# KiCad board prototype-badge.kicad_pcb
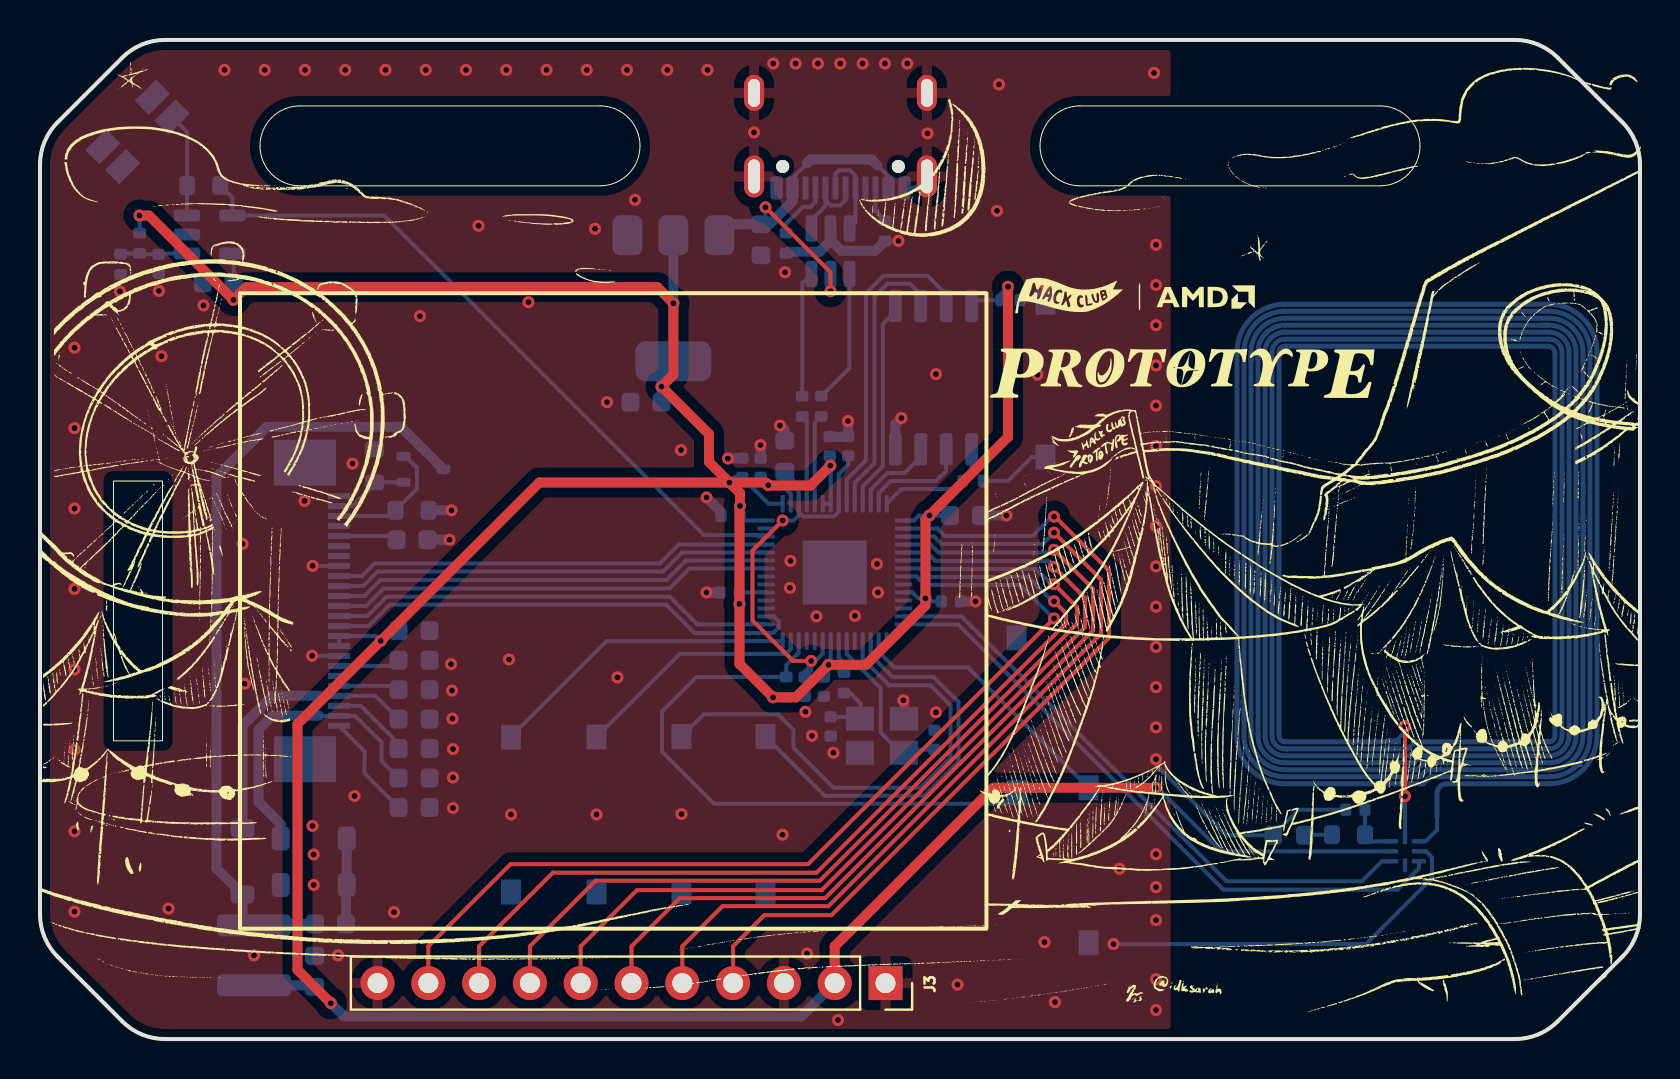
[diagram p0: board, top side]
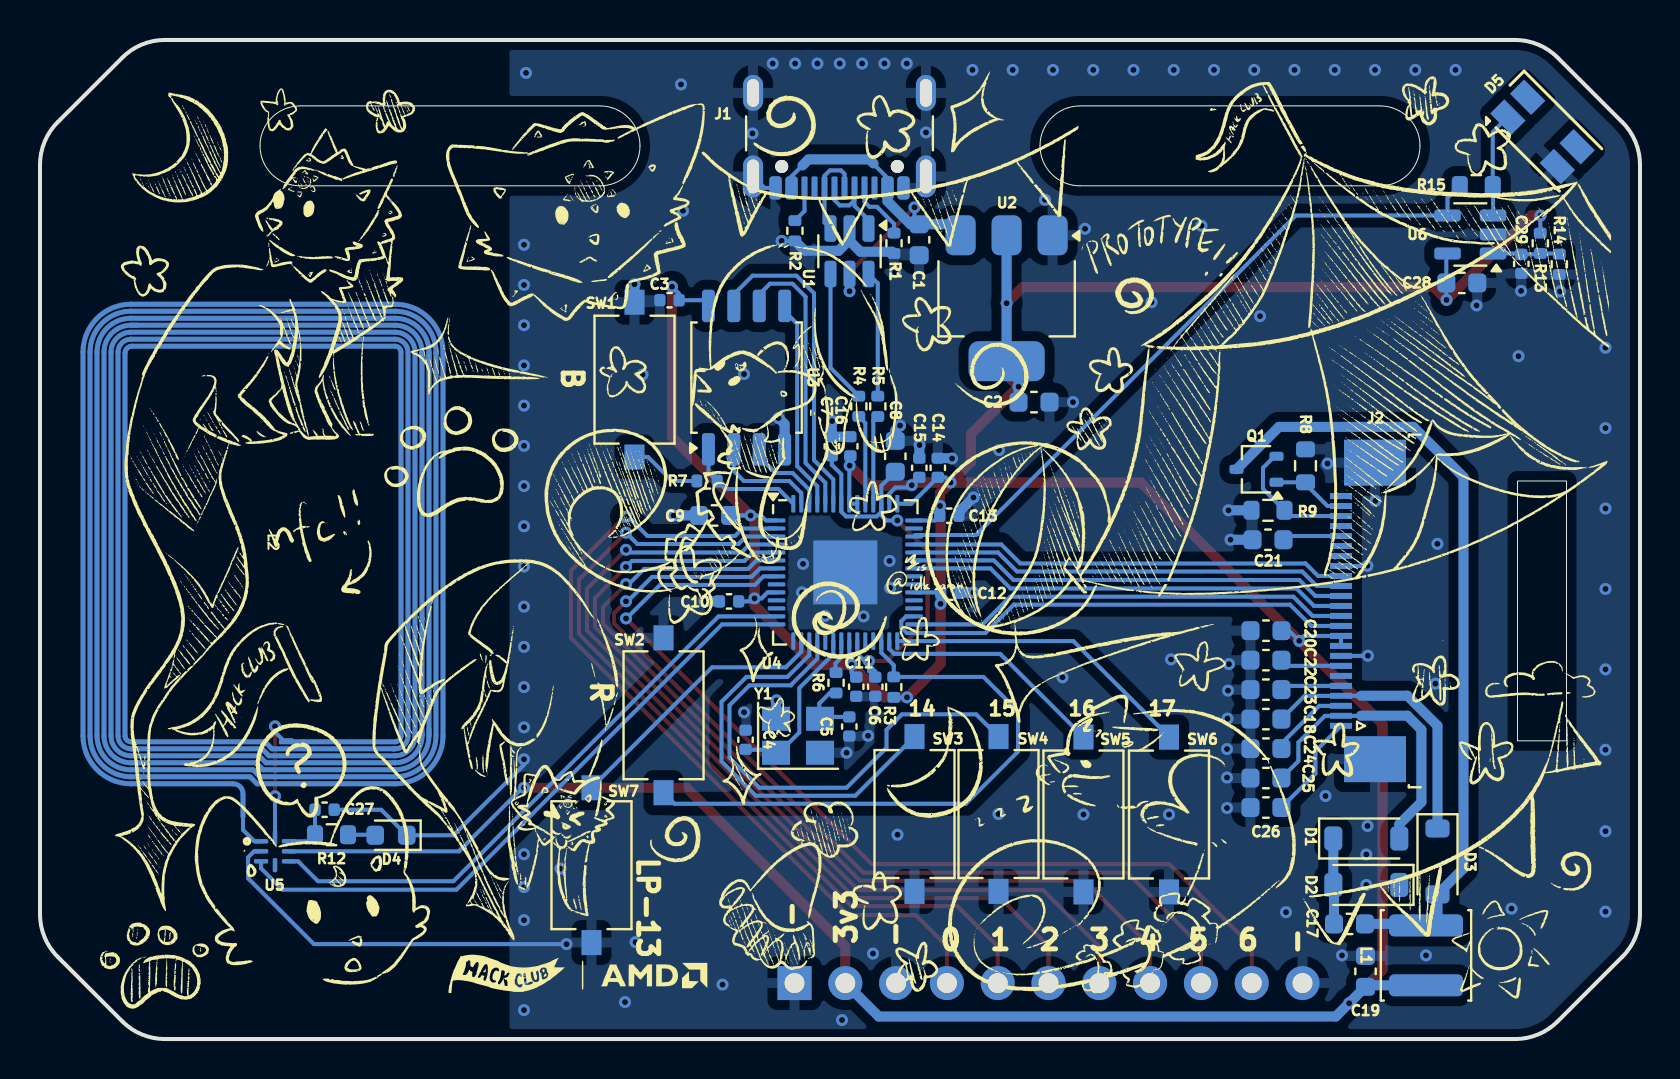
[diagram p1: board, bottom side, seen from below]

Outline 80 x 50 mm; copper layers: Top, Bottom. Coordinates in mm from the lower left corner of the outline.
Outline path: rectangle 3.67,27.92 6.12,14.92 ; 0,43.76 0,6.24 arc(0.23,5.09) 0.88,4.12 4.12,0.88 arc(5.09,0.23) 6.24,0 73.76,0 arc(74.91,0.23) 75.88,0.88 79.12,4.12 arc(79.77,5.09) 80,6.24 80,43.76 arc(79.77,44.91) 79.12,45.88 75.88,49.12 arc(74.91,49.77) 73.76,50 6.24,50 arc(5.09,49.77) 4.12,49.12 0.88,45.88 arc(0.23,44.91) 0,43.76 ; 11,44.7 arc(11.59,46.11) 13,46.7 28,46.7 arc(29.41,46.11) 30,44.7 arc(29.41,43.29) 28,42.7 13,42.7 arc(11.59,43.29) 11,44.7 ; 50,44.7 arc(50.59,46.11) 52,46.7 67,46.7 arc(68.41,46.11) 69,44.7 arc(68.41,43.29) 67,42.7 52,42.7 arc(50.59,43.29) 50,44.7

## Placement (name value [footprint] x y rotation side)
C1  10uF  [C_0603_1608Metric]  36.04 40 270 bottom
C2  10uF  [C_0603_1608Metric]  30.3 31.88 180 bottom
C3  100nF  [C_0402_1005Metric]  48.53 36.97 0 bottom
C4  12pF  [C_0402_1005Metric]  44.72 14.98 270 bottom
C5  12pF  [C_0402_1005Metric]  39.53 15.64 90 bottom
C6  100nF  [C_0402_1005Metric]  38.24 17.63 270 bottom
C7  100nF  [C_0402_1005Metric]  40.41 29.66 90 bottom
C8  1uF  [C_0603_1608Metric]  37.24 29.16 270 bottom
C9  1uF  [C_0603_1608Metric]  46.27 26.2 0 bottom
C10  100nF  [C_0402_1005Metric]  45.55 21.9 180 bottom
C11  100nF  [C_0402_1005Metric]  39.19 17.63 90 bottom
C12  100nF  [C_0402_1005Metric]  34.49 22.34 0 bottom
C13  100nF  [C_0402_1005Metric]  34.53 26.19 0 bottom
C14  100nF  [C_0402_1005Metric]  35.11 28.59 270 bottom
C15  100nF  [C_0402_1005Metric]  36.03 28.59 270 bottom
C16  100nF  [C_0402_1005Metric]  39.49 29.66 270 bottom
C17  4.7uF  [C_0603_1608Metric]  14.53 5.76 180 bottom
C18  1uF  [C_0603_1608Metric]  18.7 16.01 0 bottom
C19  4.7uF  [C_0603_1608Metric]  13.72 3.39 90 bottom
C20  1uF  [C_0603_1608Metric]  18.7 20.44 180 bottom
C21  1uF  [C_0603_1608Metric]  18.6 24.99 180 bottom
C22  1uF  [C_0603_1608Metric]  18.7 18.96 180 bottom
C23  1uF  [C_0603_1608Metric]  18.7 17.49 180 bottom
C24  1uF  [C_0603_1608Metric]  18.7 14.54 180 bottom
C25  1uF  [C_0603_1608Metric]  18.7 13.06 180 bottom
C26  1uF  [C_0603_1608Metric]  18.7 11.59 0 bottom
C27  220nF  [C_0402_1005Metric]  65.77 11.47 180 bottom
C28  1uF  [C_0603_1608Metric]  8.91 37.84 180 bottom
C29  100nF  [C_0402_1005Metric]  5.94 38.79 90 bottom
D1  MBR0530  [D_SOD-123]  13.68 10.04 180 bottom
D2  MBR0530  [D_SOD-123]  13.68 7.71 0 bottom
D3  MBR0530  [D_SOD-123]  10.12 8.89 270 bottom
D4  LED_Small  [LED_0603_1608Metric]  62.45 10.2 0 bottom
D5  D_Photo  [Kingbright_KPS-3227]  4.88 45.4 135 bottom
G***  -  [LOGO]  40.03 26.17 0 top
G***#2  -  [LOGO]  38 25.06 180 bottom
J1  GCT4105  [USB_C_Receptacle_GCT_USB4105-xx-A_16P_TopMnt_Horizontal]  40.03 46.27 0 bottom
J2  E-Ink  [TE_2-1734839-4_1x24-1MP_P0.5mm_Horizontal]  13.6 21.42 90 bottom
J3  Conn_01x11_Socket  [PinSocket_1x11_P2.54mm_Vertical]  42.28 2.8 270 top
L1  10uH  [L_APV_ANR4018]  10.7 4.19 90 bottom
L2  1.755uH  [nfc-coil-2]  68.85 24.88 270 bottom
Q1  Si1308EDL  [SOT-323_SC-70]  19.18 28.51 0 bottom
R1  5.1kR  [R_0402_1005Metric]  37.3 39.82 90 bottom
R2  5.1kR  [R_0402_1005Metric]  42.25 40.45 270 bottom
R3  10kR  [R_0402_1005Metric]  37.31 17.61 90 bottom
R4  27.4R  [R_0402_1005Metric]  39.06 31.66 270 bottom
R5  27.4R  [R_0402_1005Metric]  38.11 31.66 90 bottom
R6  1kR  [R_0402_1005Metric]  40.2 17.83 270 bottom
R7  1kR  [R_0402_1005Metric]  46.65 27.93 180 bottom
R8  1MR  [R_0603_1608Metric]  16.72 28.69 270 bottom
R9  2.2R  [R_0603_1608Metric]  18.6 26.46 0 bottom
R12  47R  [R_0603_1608Metric]  65.43 10.22 180 bottom
R13  10kR  [R_0402_1005Metric]  4.98 39.82 270 bottom
R14  10kR  [R_0402_1005Metric]  4.03 38.77 270 bottom
R15  220kR  [R_0603_1608Metric]  8.19 42.71 180 bottom
SW1  BOOTSEL  [SW_Tactile_SPST_NO_Straight_CK_PTS636Sx25SMTRLFS]  50.28 33 270 bottom
SW2  RESET  [SW_Tactile_SPST_NO_Straight_CK_PTS636Sx25SMTRLFS]  48.82 16.2 270 bottom
SW3  User1  [SW_Tactile_SPST_NO_Straight_CK_PTS636Sx25SMTRLFS]  36.27 11.26 270 bottom
SW4  User2  [SW_Tactile_SPST_NO_Straight_CK_PTS636Sx25SMTRLFS]  32.07 11.26 270 bottom
SW5  User3  [SW_Tactile_SPST_NO_Straight_CK_PTS636Sx25SMTRLFS]  27.83 11.24 270 bottom
SW6  User4  [SW_Tactile_SPST_NO_Straight_CK_PTS636Sx25SMTRLFS]  23.55 11.24 270 bottom
SW7  LIGHTPROG  [SW_Tactile_SPST_NO_Straight_CK_PTS636Sx25SMTRLFS]  52.43 8.7 270 bottom
U1  USBLC6-2SC6  [SOT-23-6]  39.53 39.42 270 bottom
U2  AMS1117-3.3  [SOT-223-3_TabPin2]  31.67 37.07 270 bottom
U3  W25Q32JVSS  [SOIC-8_5.3x5.3mm_P1.27mm]  44.67 33.1 90 bottom
U4  RP2040  [QFN-56-1EP_7x7mm_P0.4mm_EP3.2x3.2mm]  39.74 23.35 180 bottom
U5  NT3H2111-2211  [NT3H2111W0FHKH]  68.25 9.39 180 bottom
U6  LMV321  [SOT-23-5]  8.48 40.26 0 bottom
Y1  12MHz  [Crystal_SMD_3225-4Pin_3.2x2.5mm]  42.1 15.18 180 bottom

## Library data of the parts
C1 C2 = -: Description: Unpolarized capacitor, small symbol; LCSC: C19702; ki_fp_filters: C_*
C3 C6 C7 C10-C16 C29 = -: Description: Unpolarized capacitor, small symbol; LCSC: C1525; ki_fp_filters: C_*
C4 C5 = -: Description: Unpolarized capacitor, small symbol; LCSC: C1547; ki_fp_filters: C_*
C8 C9 C18 C20-C26 C28 = -: Description: Unpolarized capacitor, small symbol; LCSC: C15849; ki_fp_filters: C_*
C17 C19 = -: Description: Unpolarized capacitor, small symbol; LCSC: C69335; ki_fp_filters: C_*
C27 = -: Description: Unpolarized capacitor, small symbol; LCSC: C16772; ki_fp_filters: C_*
D1-D3 = -: Datasheet: http://www.mccsemi.com/up_pdf/MBR0520~MBR0580(SOD123).pdf; Description: 30V 0.5A Schottky Power Rectifier Diode, SOD-123; LCSC: C82046; ki_fp_filters: D*SOD?123*
D4 = -: Description: Light emitting diode, small symbol; Sim.Pin: 1=K 2=A; LCSC: C2286; ki_fp_filters: LED* LED_SMD:* LED_THT:*
D5 = -: Description: Photodiode; LCSC: C2689207
J1 = -: Datasheet: https://www.usb.org/sites/default/files/documents/usb_type-c.zip; Description: USB 2.0-only 16P Type-C Receptacle connector; LCSC: C2760486; ki_fp_filters: USB*C*Receptacle*
J2 = -: Description: Generic connectable mounting pin connector, single row, 01x24, script generated (kicad-library-utils/schlib/autogen/connector/); LCSC: C5362165; ki_fp_filters: Connector*:*_1x??-1MP*
J3 = -: Description: Generic connector, single row, 01x11, script generated; ki_fp_filters: Connector*:*_1x??_*
L1 = -: Description: Inductor, small symbol; LCSC: C167808; ki_fp_filters: Choke_* *Coil* Inductor_* L_*
L2 = -: Description: Inductor; ki_fp_filters: Choke_* *Coil* Inductor_* L_*
Q1 = -: Datasheet: https://www.vishay.com/docs/63399/si1308edl.pdf; Description: 30V Vds, 1.4A Id, N-Channel MOSFET, SC-70; LCSC: C7603347; ki_fp_filters: SOT?323*
R1 R2 = -: Description: Resistor, small US symbol; LCSC: C25905; ki_fp_filters: R_*
R3 R13 R14 = -: Description: Resistor, small US symbol; LCSC: C25744; ki_fp_filters: R_*
R4 R5 = -: Description: Resistor, small US symbol; LCSC: C274349; ki_fp_filters: R_*
R6 R7 = -: Description: Resistor, small US symbol; LCSC: C11702; ki_fp_filters: R_*
R8 = -: Description: Resistor, small US symbol; LCSC: C22935; ki_fp_filters: R_*
R9 = -: Description: Resistor, small US symbol; LCSC: C22939; ki_fp_filters: R_*
R12 = -: Description: Resistor, small US symbol; LCSC: C23182; ki_fp_filters: R_*
R15 = -: Description: Resistor, small US symbol; LCSC: C22961; ki_fp_filters: R_*
SW1-SW7 = -: Description: Push button switch, generic, two pins; LCSC: C318938
U1 = -: Datasheet: https://www.st.com/resource/en/datasheet/usblc6-2.pdf; Description: Very low capacitance ESD protection diode, 2 data-line, SOT-23-6; LCSC: C7519; ki_fp_filters: SOT?23*
U2 = -: Datasheet: http://www.advanced-monolithic.com/pdf/ds1117.pdf; Description: 1A Low Dropout regulator, positive, 3.3V fixed output, SOT-223; LCSC: C18906017; ki_fp_filters: SOT?223*TabPin2*
U3 = -: Datasheet: http://www.winbond.com/resource-files/w25q32jv%20revg%2003272018%20plus.pdf; Description: 32Mbit / 4MiB Serial Flash Memory, Standard/Dual/Quad SPI, 2.7-3.6V, SOIC-8 (208 mil); LCSC: C97521; ki_fp_filters: *SOIC*5.3x5.3mm*P1.27mm*
U4 = -: Datasheet: https://datasheets.raspberrypi.com/rp2040/rp2040-datasheet.pdf; Description: A microcontroller by Raspberry Pi; LCSC: C2040; ki_fp_filters: QFN*1EP*7x7mm?P0.4mm*
U5 = -: Datasheet: https://www.nxp.com/docs/en/data-sheet/NT3H2111_2211.pdf; Description: NTAG I2C plus: NFC Forum T2T with I2C interface, password protection and energy harvesting; LCSC: C710403
U6 = -: Datasheet: http://www.ti.com/lit/ds/symlink/lmv324.pdf; Description: Low-Voltage Rail-to-Rail Output Operational Amplifiers, SOT-23-5/SC-70-5; LCSC: C7972; ki_fp_filters: SOT?23* *SC*70*
Y1 = -: Description: Four pin crystal, GND on pins 2 and 4; LCSC: C37635368; ki_fp_filters: Crystal*

## Footprints (pads in the part's own frame, mm; a bottom-side part is the same pattern mirrored in y, then rotated)
C_0402_1005Metric
  rrect 0.56x0.62 smd: 1(-0.48,0) 2(0.48,0)
C_0603_1608Metric
  rrect 0.9x0.95 smd: 1(-0.775,0) 2(0.775,0)
Crystal_SMD_3225-4Pin_3.2x2.5mm
  rect 1.4x1.2 smd: 1(-1.1,-0.85) 2(1.1,-0.85) 3(1.1,0.85) 4(-1.1,0.85)
D_SOD-123
  rrect 0.9x1.2 smd: 1(-1.65,0) 2(1.65,0)
Kingbright_KPS-3227
  rect 1x1.5 smd: 1(-0.7,1.75) 2(-0.7,-1.75) 3(0.7,1.75) 4(0.7,-1.75)
L_APV_ANR4018
  rrect 1.1x3.7 smd: 1(-1.5,0) 2(1.5,0)
LED_0603_1608Metric
  rrect 0.875x0.95 smd: 1(-0.787,0) 2(0.787,0)
nfc-coil-2
  rrect 1.208x0.25 smd: 1(13.2,-1)
  rrect 0.25x1.304 smd: 2(10,1.448)
NT3H2111W0FHKH
  rrect 0.71x0.22 smd: 1(-0.695,0.5) 2(-0.695,0)
  rrect 0.7x0.22 smd: 3(-0.695,-0.5) 5(0.695,-0.5) 6(0.695,0) 7(0.695,0.5)
  rrect 0.22x0.7 smd: 4(0,-0.695) 8(0,0.695)
PinSocket_1x11_P2.54mm_Vertical
  rect 1.7x1.7 hole 1: 1(0,0)
  oval 1.7x1.7 hole 1: 2(0,-2.54) 3(0,-5.08) 4(0,-7.62) 5(0,-10.16) 6(0,-12.7) 7(0,-15.24) 8(0,-17.78) 9(0,-20.32) 10(0,-22.86) 11(0,-25.4)
QFN-56-1EP_7x7mm_P0.4mm_EP3.2x3.2mm
  rrect 1.29x1.29 smd: (-0.8,-0.8) (-0.8,0.8) (0.8,-0.8) (0.8,0.8)
  rrect 0.875x0.2 smd: 1(-3.438,2.6) 2(-3.438,2.2) 3(-3.438,1.8) 4(-3.438,1.4) 5(-3.438,1) 6(-3.438,0.6) 7(-3.438,0.2) 8(-3.438,-0.2) 9(-3.438,-0.6) 10(-3.438,-1) 11(-3.438,-1.4) 12(-3.438,-1.8) 13(-3.438,-2.2) 14(-3.438,-2.6) 29(3.438,-2.6) 30(3.438,-2.2) 31(3.438,-1.8) 32(3.438,-1.4) 33(3.438,-1) 34(3.438,-0.6) 35(3.438,-0.2) 36(3.438,0.2) 37(3.438,0.6) 38(3.438,1) 39(3.438,1.4) 40(3.438,1.8) 41(3.438,2.2) 42(3.438,2.6)
  rrect 0.2x0.875 smd: 15(-2.6,-3.438) 16(-2.2,-3.438) 17(-1.8,-3.438) 18(-1.4,-3.438) 19(-1,-3.438) 20(-0.6,-3.438) 21(-0.2,-3.438) 22(0.2,-3.438) 23(0.6,-3.438) 24(1,-3.438) 25(1.4,-3.438) 26(1.8,-3.438) 27(2.2,-3.438) 28(2.6,-3.438) 43(2.6,3.438) 44(2.2,3.438) 45(1.8,3.438) 46(1.4,3.438) 47(1,3.438) 48(0.6,3.438) 49(0.2,3.438) 50(-0.2,3.438) 51(-0.6,3.438) 52(-1,3.438) 53(-1.4,3.438) 54(-1.8,3.438) 55(-2.2,3.438) 56(-2.6,3.438)
  rect 3.2x3.2 smd: 57(0,0)
R_0402_1005Metric
  rrect 0.54x0.64 smd: 1(-0.51,0) 2(0.51,0)
R_0603_1608Metric
  rrect 0.8x0.95 smd: 1(-0.825,0) 2(0.825,0)
SOIC-8_5.3x5.3mm_P1.27mm
  rrect 1.625x0.65 smd: 1(-3.587,1.905) 2(-3.587,0.635) 3(-3.587,-0.635) 4(-3.587,-1.905) 5(3.587,-1.905) 6(3.587,-0.635) 7(3.587,0.635) 8(3.587,1.905)
SOT-23-5
  rrect 1.325x0.6 smd: 1(-1.137,0.95) 2(-1.137,0) 3(-1.137,-0.95) 4(1.137,-0.95) 5(1.137,0.95)
SOT-23-6
  rrect 1.325x0.6 smd: 1(-1.137,0.95) 2(-1.137,0) 3(-1.137,-0.95) 4(1.137,-0.95) 5(1.137,0) 6(1.137,0.95)
SOT-223-3_TabPin2
  rrect 2x1.5 smd: 1(-3.15,2.3) 2(-3.15,0) 3(-3.15,-2.3)
  rrect 2x3.8 smd: 2(3.15,0)
SOT-323_SC-70
  rrect 0.7x0.45 smd: 1(-1,0.65) 2(-1,-0.65) 3(1,0)
SW_Tactile_SPST_NO_Straight_CK_PTS636Sx25SMTRLFS
  rect 1.25x1 smd: 1(-3.875,0) 2(3.875,0)
TE_2-1734839-4_1x24-1MP_P0.5mm_Horizontal
  rect 0.3x1.1 smd: 1(-5.75,1.35) 2(-5.25,1.35) 3(-4.75,1.35) 4(-4.25,1.35) 5(-3.75,1.35) 6(-3.25,1.35) 7(-2.75,1.35) 8(-2.25,1.35) 9(-1.75,1.35) 10(-1.25,1.35) 11(-0.75,1.35) 12(-0.25,1.35) 13(0.25,1.35) 14(0.75,1.35) 15(1.25,1.35) 16(1.75,1.35) 17(2.25,1.35) 18(2.75,1.35) 19(3.25,1.35) 20(3.75,1.35) 21(4.25,1.35) 22(4.75,1.35) 23(5.25,1.35) 24(5.75,1.35)
  rect 2.3x3.1 smd: MP(-7.42,-0.35) MP(7.42,-0.35)
USB_C_Receptacle_GCT_USB4105-xx-A_16P_TopMnt_Horizontal
  round 0.65 hole 0.65 unplated: (-2.89,2.605) (2.89,2.605)
  rrect 0.6x1.15 smd: A1(-3.2,3.68) A4(-2.4,3.68) A9(2.4,3.68) A12(3.2,3.68) B1(3.2,3.68) B4(2.4,3.68) B9(-2.4,3.68) B12(-3.2,3.68)
  rrect 0.3x1.15 smd: A5(-1.25,3.68) A6(-0.25,3.68) A7(0.25,3.68) A8(1.25,3.68) B5(1.75,3.68) B6(0.75,3.68) B7(-0.75,3.68) B8(-1.75,3.68)
  oval 1x1.8 hole 0.6x1.4: S1(-4.32,-1.075) S1(4.32,-1.075)
  oval 1x2.1 hole 0.6x1.7: S1(-4.32,3.105) S1(4.32,3.105)

## Nets
+1V1: C6.1 C7.1 C8.2 U4.23 U4.45 U4.50
+3.3V: C2.1 C3.1 C9.1 C10.2 C11.2 C12.2 C13.2 C14.2 C15.2 C16.2 C19.1 C20.2 C28.1 J2.9 J2.10 J3.2 L1.1 R3.1 R13.1 U2.2 U3.8 U4.1 U4.10 U4.22 U4.33 U4.42 U4.43 U4.44 U4.48 U4.49 U5.6 U6.5
VBUS: C1.1 J1.A4 J1.A9 J1.B4 J1.B9 U1.5 U2.3
/DISP_BUSY: J2.16 U4.39
/DISP_CS: J2.13 U4.36
/DISP_DC: J2.14 U4.37
/DISP_GDR: J2.23 Q1.1 R8.2
/DISP_PREVGH: C18.1 D3.1 J2.4
/DISP_PREVGL: C25.2 D1.2 J2.2
/DISP_RESE: J2.22 Q1.2 R9.1
/DISP_RST: J2.15 U4.38
/GPIO0: J3.4 U4.2
/GPIO1: J3.5 U4.3
/GPIO2: J3.6 U4.4
/GPIO3: J3.7 U4.5
/GPIO4: J3.8 U4.6
/GPIO5: J3.9 U4.7
/GPIO6: J3.10 U4.8
/GPIO7: U4.9
/GPIO8: U4.11
/GPIO9: U4.12
/GPIO12: U4.15
/GPIO13: SW7.1 U4.16
/GPIO14: SW3.1 U4.17
/GPIO15: SW4.1 U4.18
/GPIO16: SW5.1 U4.27
/GPIO17: SW6.1 U4.28
/GPIO20: U4.31
/GPIO21: U4.32
/GPIO22: U4.34
/GPIO23: U4.35
/GPIO28_ADC2_LDR: R15.1 U4.40 U6.4
/GPIO29_ADC3: U4.41
/I2C_SCL: U4.14 U5.3
/I2C_SDA: U4.13 U5.5
/QSPI_SCLK: U3.6 U4.52
/QSPI_SD0: U3.5 U4.53
/QSPI_SD1: U3.2 U4.55
/QSPI_SD2: U3.3 U4.54
/QSPI_SD3: U3.7 U4.51
/QSPI_SS: R7.2 U3.1 U4.56
/RP_RUN: R3.2 SW2.2 U4.26
/RP_XIN: C4.2 U4.20 Y1.1
/RP_XOUT: R6.1 U4.21
/SPI_CLK: J2.12 U4.29
/SPI_MOSI: J2.11 U4.30
/USB_D+: R4.1 U1.4
/USB_D-: R5.2 U1.6
Earth: C1.2 C2.2 C3.2 C4.1 C5.1 C6.2 C7.2 C8.1 C9.2 C10.1 C11.1 C12.1 C13.1 C14.1 C15.1 C16.1 C18.2 C19.2 C20.1 C21.1 C22.1 C23.1 C24.1 C25.1 C26.2 C27.2 C28.2 C29.1 D2.1 D4.1 D5.2 J1.A1 J1.A12 J1.B1 J1.B12 J1.S1 J2.8 J2.17 J2.MP J3.1 J3.3 J3.11 R1.1 R2.2 R8.1 R9.2 R14.2 SW1.1 SW2.1 SW3.2 SW4.2 SW5.2 SW6.2 SW7.2 U1.2 U2.1 U3.4 U4.57 U5.2 U6.2 Y1.2 Y1.4
Net-(C5-Pad2): C5.2 R6.2 Y1.3
Net-(D1-K): C17.1 D1.1 D2.2
Net-(D3-A): C17.2 D3.2 L1.2 Q1.3
Net-(D4-A): D4.2 R12.2
Net-(D5-K): D5.1 R15.2 U6.3
Net-(J1-CC1): J1.A5 R1.2
Net-(J1-CC2): J1.B5 R2.1
Net-(J1-D+-PadA6): J1.A6 J1.B6 U1.3
Net-(J1-D--PadA7): J1.A7 J1.B7 U1.1
Net-(J2-Pin_1): C26.1 J2.1
Net-(J2-Pin_3): C24.2 J2.3
Net-(J2-Pin_5): C23.2 J2.5
Net-(J2-Pin_7): C22.2 J2.7
Net-(J2-Pin_20): C21.2 J2.20
Net-(R7-Pad1): R7.1 SW1.2
Net-(U4-USB_DM): R5.1 U4.46
Net-(U4-USB_DP): R4.2 U4.47
Net-(U5-LA): L2.1 U5.1
Net-(U5-LB): L2.2 U5.8
Net-(U5-VOUT): C27.1 R12.1 U5.7
Net-(U6-+): C29.2 R13.2 R14.1 U6.1

Pads without a net: D5 3 4; J1 A8 B8; J2 6 18 19 21 24; U4 19 24 25; U5 4

## Via types
v1: diameter 0.6, hole 0.3, Top to Bottom, 153 vias

## Routing (per net, layer and track width the routed paths; a pad name or vN(x,y) marks a point on that pad's centre or on a via; arc(x,y) is an arc through that point)
+1V1: length 21.5
  Top w0.2: v1(37.13,25.95) 35.62,24.44 35.62,20.95 37.65,18.92 v1(38.55,18.92)
  Bottom w0.2: C8.2 37.94,27.69 U4.45 ; v1(37.13,25.95) 37.68,25.95 37.94,26.21 U4.45 ; U4.45 37.94,26.39 38.17,26.15 39.7,26.15 39.94,26.39 U4.50 39.94,28.27 40.41,28.74 C7.1 ; v1(38.55,18.92) 38.55,18.43 C6.1 38.24,18.39 39.13,19.29 39.13,19.91
+3.3V: length 229.4
  Top w0.5: v1(34.47,27.85) 24.96,27.85 v1(17.04,19.93) 12.87,15.76 12.87,3.46 v1(14.54,1.79) ; v1(34.47,27.85) 33.45,28.88 33.45,30.27 v1(31.07,32.65) 31.67,33.24 v1(31.67,36.82) 30.87,37.63 10.31,37.63 v1(9.67,36.99) 5.45,41.21 v1(4.97,41.21) ; v1(34.47,27.85) 35,27.33 v1(35,26.68) 34.97,26.65 v1(34.97,21.78) 34.97,18.78 v1(36.65,17.1) 37.79,17.1 v1(39.42,18.73) 41.3,18.73 44.27,21.7 v1(44.27,22.05) 44.27,26 v1(44.47,26.2) 48.4,30.13 v1(48.4,37.65) ; v1(34.47,27.85) 36.28,27.85 v1(36.41,27.72) 36.43,27.7 38.52,27.7 v1(39.52,28.7) ; 55.88,12.57 47.67,12.57 39.74,4.64 J3.2
  Bottom w0.2: R13.1 4.98,41.2 v1(4.97,41.21) ; v1(9.67,36.99) 9.69,37 C28.1 9.69,39.25 U6.5 ; U4.33 34.98,22.35 C12.2 34.97,21.78 v1(34.97,21.78) ; v1(34.47,27.85) 34.73,28.11 C14.2 36.43,26.79 37.13,26.79 ; 55.88,12.57 59.06,9.39 U5.6 ; U4.1 43.7,25.95 43.95,26.2 C9.1 v1(44.47,26.2) ; v1(35,26.68) 35.01,26.66 C13.2 35.25,25.95 U4.42 ; C10.2 44.42,21.9 v1(44.27,22.05) 43.92,22.05 43.62,22.35 U4.10 ; 37.53,26.79 37.53,27.29 37.22,27.6 36.54,27.6 C15.2 36.03,28.1 v1(36.41,27.72) ; v1(36.65,17.1) 37.31,17.1 R3.1 ; 39.53,19.91 39.53,18.84 v1(39.42,18.73) 39.42,18.35 C11.2 ; U3.8 46.86,36.97 C3.1 48.04,37.29 v1(48.4,37.65) ; 17.93,20.44 17.55,20.44 v1(17.04,19.93) 16.79,20.17 J2.10 J2.9 ; v1(39.52,28.7) 39.49,28.73 C16.2 39.53,29.13 39.53,26.79 39.13,26.79
  Bottom w0.5: U2.2 v1(31.67,36.82) U2.2 31.07,33.33 v1(31.07,32.65) 31.07,31.88 ; L1.1 13.65,2.69 C19.1 v1(14.54,1.79) 15.21,1.12 38.06,1.12 J3.2
  vias: v1(55.8,12.57)
VBUS: length 18.9
  Top w0.2: v1(36.28,41.62) 39.53,38.38 v1(39.53,37.42)
  Bottom w0.2: J1.A4 37.62,43.1 38.25,43.72 ; C1.1 36.28,41.01 v1(36.28,41.62) ; 41.88,43.72 42.43,43.17 J1.A9 ; U1.5 v1(39.53,37.42)
  Bottom w0.5: 41.88,43.72 41.57,44.02 38.53,44.02 38.32,43.82 ; U2.3 34.52,40.77 C1.1 36.47,40.77 37.62,41.92 J1.A4
/DISP_BUSY: length 22
  Bottom w0.2: J2.16 16.1,23.17 16.72,23.8 30.98,23.8 31.94,24.75 U4.39
/DISP_CS: length 22.1
  Bottom w0.2: U4.36 32.48,23.55 31.47,22.55 17.17,22.55 16.3,21.67 J2.13
/DISP_DC: length 22.1
  Bottom w0.2: J2.14 16.23,22.17 17.03,22.97 31.32,22.97 32.3,23.95 U4.37
/DISP_GDR: length 3.8
  Bottom w0.2: Q1.1 R8.2 16.72,27.78 15.62,26.67 J2.23
/DISP_PREVGH: length 14.1
  Bottom w0.2: 13.95,17.18 13.96,17.17 J2.4 16.77,17.17 C18.1
  Bottom w0.5: 13.95,17.18 11.63,17.18 10.12,15.68 D3.1
/DISP_PREVGL: length 15
  Bottom w0.2: 13.95,16.18 13.96,16.17 J2.2 15.75,16.17 17.08,14.85 17.08,13.91 C25.2
  Bottom w0.5: D1.2 12.03,10.75 10.93,11.86 10.93,15.48 11.63,16.18 13.95,16.18
/DISP_RESE: length 6.4
  Bottom w0.2: J2.22 17.49,26.17 R9.1 18.85,27.54 18.85,28.59 18.28,29.16 Q1.2
/DISP_RST: length 22
  Bottom w0.2: U4.38 32.1,24.35 31.15,23.4 16.89,23.4 16.17,22.67 J2.15
/GPIO0: length 42.4
  Top w0.2: J3.4 34.66,4.64 36.22,6.2 39.57,6.2 53.46,20.08 53.46,23.44 50.75,26.14 v1(50.7,26.14)
  Bottom w0.2: v1(50.7,26.14) 50.59,26.14 49.62,25.17 45.25,25.17 44.87,25.55 U4.2
/GPIO1: length 43.2
  Top w0.2: v1(50.7,25.34) 53.05,22.99 53.05,20.28 39.43,6.65 34.12,6.65 32.12,4.64 J3.5
  Bottom w0.2: U4.3 44.7,25.15 45.07,24.77 50.13,24.77 v1(50.7,25.34)
/GPIO2: length 44.1
  Top w0.2: 29.57,2.8 29.57,4.64 31.99,7.05 39.25,7.05 52.65,20.45 52.65,22.53 v1(50.7,24.48)
  Bottom w0.2: v1(50.7,24.48) 50.57,24.35 44.93,24.35 44.52,24.75 U4.4
/GPIO3: length 45.2
  Top w0.2: J3.7 27.03,4.64 29.85,7.45 39.09,7.45 52.25,20.62 52.25,22.07 v1(50.7,23.62)
  Bottom w0.2: v1(50.7,23.62) 50.4,23.93 44.77,23.93 44.35,24.35 U4.5
/GPIO4: length 46.4
  Top w0.2: J3.8 24.5,4.64 27.78,7.92 38.99,7.92 51.85,20.78 51.85,21.62 v1(50.7,22.77)
  Bottom w0.2: U4.6 44.17,23.95 44.6,23.53 49.8,23.53 50.56,22.77 v1(50.7,22.77)
/GPIO5: length 47.4
  Top w0.2: J3.9 21.96,4.64 25.64,8.33 38.83,8.33 51.3,20.8 51.3,21.31 v1(50.7,21.91)
  Bottom w0.2: U4.7 44,23.55 44.42,23.13 49.4,23.13 50.62,21.91 v1(50.7,21.91)
/GPIO6: length 48.3
  Top w0.2: v1(50.7,21.05) 38.4,8.75 23.53,8.75 19.41,4.64 19.41,2.8
  Bottom w0.2: U4.8 43.83,23.15 44.26,22.73 49,22.73 50.68,21.05 v1(50.7,21.05)
/GPIO13: length 13.8
  Bottom w0.2: U4.16 41.94,19.38 42.71,18.6 46.4,18.6 SW7.1
/GPIO14: length 20.6
  Bottom w0.2: SW3.1 39.23,12.18 44.2,12.18 45.93,13.9 45.93,16.88 44.68,18.12 42.62,18.12 41.53,19.21 41.53,19.91
/GPIO15: length 25.5
  Bottom w0.2: 41.13,19.91 41.13,19.03 42.44,17.73 42.44,17.71 42.45,17.7 44.53,17.7 45.53,16.7 45.53,14.07 44.03,12.58 39.67,12.58 37.68,14.57 37.68,15.47 36.9,16.25 33.19,16.25 SW4.1
/GPIO16: length 11.9
  Bottom w0.2: SW5.1 31.99,19.28 37.29,19.28 37.53,19.52 37.53,19.91
/GPIO17: length 15.6
  Bottom w0.2: SW6.1 23.55,15.13 28.33,19.91 37.13,19.91
/GPIO28_ADC2_LDR: length 35.1
  Bottom w0.2: R15.1 9.62,42.1 U6.4 17.21,41.21 33.2,25.22 36.22,25.22 U4.40
/I2C_SCL: length 32.1
  Bottom w0.2: U5.3 68.94,8.54 67.88,7.48 59.17,7.48 45.9,20.75 U4.14
/I2C_SDA: length 30.3
  Bottom w0.2: U5.5 67.09,8.89 66.1,7.9 59.32,7.9 46.07,21.15 U4.13
/QSPI_SCLK: length 14.1
  Bottom w0.2: U4.52 40.74,27.84 41.72,28.83 41.72,37.15 42.38,37.8 43.5,37.8 44.03,37.27 44.03,36.69 U3.6
/QSPI_SD0: length 10.6
  Bottom w0.2: 41.13,26.79 41.13,27.66 42.14,28.67 42.14,35.79 42.77,36.42 U3.5
/QSPI_SD1: length 5.5
  Bottom w0.2: U3.2 45.31,29.51 45.31,28.43 44.8,27.93 42.54,27.93 41.94,27.33 U4.55
/QSPI_SD2: length 4.3
  Bottom w0.2: U3.3 44.03,29.51 44.03,29.14 43.22,28.33 42.37,28.33 41.53,27.49 41.53,26.79
/QSPI_SD3: length 16.3
  Bottom w0.2: U3.7 45.31,36.69 45.31,37.27 44.37,38.2 42.18,38.2 41.3,37.32 41.3,28.97 40.34,28.01 U4.51
/QSPI_SS: length 6
  Bottom w0.2: U3.1 46.58,28.37 R7.2 45.74,27.53 43.07,27.53 U4.56
/RP_RUN: length 30
  Bottom w0.2: SW2.2 48.27,11.77 33.71,11.77 31.1,14.38 31.1,16.4 32.82,18.12 R3.2 37.31,18.71 37.94,19.33 U4.26
/RP_XIN: length 8.5
  Bottom w0.2: U4.20 40.34,19.27 42.04,17.56 42.04,15.34 42.99,14.39 43.13,14.39 Y1.1 43.2,14.43 43.25,14.48 44.7,14.48 C4.2
/RP_XOUT: length 1.7
  Bottom w0.2: U4.21 39.94,19.09 40.22,18.81 40.22,18.36 R6.1
/SPI_CLK: length 22.3
  Bottom w0.2: J2.12 16.37,21.17 17.33,22.14 31.49,22.14 32.87,20.75 U4.29
/SPI_MOSI: length 24.2
  Bottom w0.2: J2.11 16.43,20.67 17.5,21.74 31.31,21.74 32.73,20.32 36.65,20.32 36.94,20.6 36.94,20.91 36.69,21.15 U4.30
/USB_D+: length 6.7
  Bottom w0.2: U1.4 40.47,33.59 R4.1
/USB_D-: length 6.3
  Bottom w0.2: R5.2 38.11,37.82 38.57,38.29
Earth: length 56
  Bottom w0.2: U5.2 69.3,9.39 69.6,9.1 69.6,8.05 66.3,4.75 v1(53.68,4.75) ; J2.17 13.64,23.67 v1(13.63,23.68) ; v1(42.92,39.95) 42.92,39.94 R2.2 ; v1(55.8,14) 55.8,13.72 59.32,10.2 D4.1 62.94,11.47 C27.2 ; v1(13.61,19.18) 13.61,19.17 J2.8 ; J1.S1 43.77,42.59 J1.A12
  Bottom w0.5: v1(33.32,22.35) 33.57,22.35 33.59,22.34 C12.1 ; v1(34.4,29.05) 34.41,29.07 C14.1 ; 19.43,26.46 v1(20.57,26.46) ; U3.4 42.77,30.77 v1(43.07,31.08) ; Y1.4 43.2,16.93 v1(43.17,16.95) ; v1(36.02,29.73) 36.03,29.71 C15.1 ; v1(37,30.7) 37.24,30.46 C8.1 ; v1(33.32,27.1) 34.06,26.37 C13.1 ; v1(50.28,37.77) SW1.1 ; C16.1 C7.2 40.41,30.91 v1(40.4,30.93) ; R2.2 41.76,39.45 40.07,39.45 39.53,40 U1.2 39.53,39.95 38.98,39.4 37.39,39.4 R1.1 ; C21.1 v1(20.47,24.99) ; C9.2 v1(48.32,26.2) ; C10.1 46.77,21.9 v1(46.78,21.9)
  vias: v1(1.72,34.6) v1(1.72,30.57) v1(1.72,26.55) v1(1.72,22.52) v1(1.72,18.5) v1(1.72,14.47) v1(1.72,10.4) v1(1.72,6.38) v1(4,37.41) v1(5.95,37.44) v1(6.08,34.17) v1(6.42,6.52) v1(8.17,36.71) v1(9.22,48.5) v1(10.13,24.78) v1(10.23,17.78) v1(10.7,4.19) v1(11.24,48.5) v1(13.25,48.5) v1(13.23,26.93) v1(13.62,10.66) v1(13.68,9.24) v1(13.68,7.71) v1(14.9,4.19) v1(15.26,48.5) v1(15.62,28.8) v1(15.72,12.16) v1(17.28,48.5) v1(17.7,6.35) v1(19,36.18) v1(19.29,48.5) v1(20.55,18.76) v1(20.6,17.44) v1(20.62,16.04) v1(20.65,14.51) v1(20.65,13.09) v1(20.65,11.56) v1(21.3,48.5) v1(21.93,40.7) v1(23.31,48.5) v1(23.45,19) v1(23.55,11.24) v1(24.42,36.88) v1(25.32,48.5) v1(27.34,48.5) v1(27.75,40.55) v1(27.83,11.24) v1(28.35,31.88) v1(28.88,18.1) v1(29.35,48.5) v1(29.75,42) v1(31.36,48.5) v1(32.05,29.47) v1(32.07,11.26) v1(33.38,48.5) v1(35.7,45.37) v1(36.66,48.82) v1(37.12,10.22) v1(37.25,38.38) v1(37.5,22.58) v1(37.52,23.93) v1(37.78,48.82) v1(38.27,16.38) v1(38.35,4.27) v1(38.6,15.18) v1(38.9,48.82) v1(38.82,21.15) v1(39.67,14.33) v1(39.9,0.95) v1(40.01,48.82) v1(40.75,21.18) v1(41.13,48.82) v1(41.85,23.78) v1(41.9,22.35) v1(42.25,48.82) v1(43.36,48.82) v1(44.38,45.32) v1(44.8,33.28) v1(44.8,16.35) v1(45.88,2.72) v1(47.85,41.45) v1(47.95,47.77) v1(49.87,33.25) v1(50.22,4.85) v1(50.75,1.85) v1(53.97,8.52) v1(55.7,48.35) v1(55.8,39.75) v1(55.8,37.74) v1(55.8,35.72) v1(55.8,33.71) v1(55.8,31.7) v1(55.8,29.69) v1(55.8,27.67) v1(55.8,25.66) v1(55.8,23.65) v1(55.8,21.64) v1(55.8,19.62) v1(55.8,17.61) v1(55.8,15.6) v1(55.8,9.25) v1(55.8,7.6) v1(55.8,5.95) v1(55.8,3) v1(55.8,1.45)
Net-(C5-Pad2): length 3.4
  Bottom w0.2: R6.2 40.48,17.32 40.5,17.3 40.52,17.3 41.03,16.79 41.03,16.06 Y1.3 41,16.09 40.97,16.12 C5.2
Net-(D1-K): length 4.3
  Bottom w0.5: D1.1 D2.2 15.3,7.68 C17.1
Net-(D3-A): length 39.8
  Bottom w0.5: C17.2 10.78,5.76 L1.2 10.35,5.69 10.12,5.91 D3.2 8.83,8.54 8.83,28.13 11.33,30.64 18.05,30.64 Q1.3
Net-(D4-A): length 1.4
  Bottom w0.2: R12.2 63.26,10.22 D4.2
Net-(D5-K): length 5.2
  Bottom w0.2: U6.3 7.35,42.7 R15.2 7.36,45.39 D5.1
Net-(J1-CC1): length 3.1
  Bottom w0.2: R1.2 37.3,40.8 38.15,41.65 38.53,41.65 38.78,41.9 J1.A5
Net-(J1-CC2): length 1.8
  Bottom w0.2: R2.1 41.78,41.44 J1.B5
Net-(J1-D+-PadA6): length 4.7
  Bottom w0.2: J1.A6 39.78,43.3 39.94,43.47 40.51,43.47 40.78,43.2 J1.B6 40.78,40.86 U1.3
Net-(J1-D--PadA7): length 4.2
  Bottom w0.2: 38.57,40.56 38.57,41 39.28,41.7 39.28,41.99 ; 39.28,41.99 J1.B7 ; 39.28,41.99 39.54,41.72 40.01,41.72 40.28,41.99 J1.A7
Net-(J2-Pin_1): length 5.3
  Bottom w0.2: C26.1 16.23,13.29 16.23,14.39 J2.1
Net-(J2-Pin_3): length 4
  Bottom w0.2: C24.2 17.93,14.78 16.04,16.67 J2.3
Net-(J2-Pin_5): length 3.1
  Bottom w0.2: J2.5 17.74,17.67 C23.2
Net-(J2-Pin_7): length 3.1
  Bottom w0.2: J2.7 17.64,18.67 C22.2
Net-(J2-Pin_20): length 3
  Bottom w0.2: C21.2 17.64,25.17 J2.20
Net-(R7-Pad1): length 3.6
  Bottom w0.2: R7.1 48.4,27.93 49.59,29.12 SW1.2
Net-(U4-USB_DM): length 4.5
  Bottom w0.2: R5.1 38.34,30.93 U4.46
Net-(U4-USB_DP): length 4.5
  Bottom w0.2: U4.47 38.74,30.83 R4.2
Net-(U5-LA): length 2.4
  Bottom w0.2: U5.1 69.28,9.89 69.85,10.46 L2.1
Net-(U5-LB): length 6.9
  Top w0.2: v1(68.25,12.15) v1(68.25,15.65)
  Bottom w0.2: v1(68.25,15.65) 68.25,15.36 67.84,14.95 67.4,14.95 ; U5.8 v1(68.25,12.15)
Net-(U5-VOUT): length 2.7
  Bottom w0.2: U5.7 66.58,9.89 R12.1 C27.1
Net-(U6-+): length 3.4
  Bottom w0.2: R14.1 4.06,39.31 R13.2 5.03,39.27 C29.2 5.97,39.31 U6.1

## Copper pours and planes (outline as drawn; the poured copper is in the pictures)
Earth on Top, Bottom: -3.05,51.42 -3.05,-11.2 80.43,-11.2 80.43,50.6

## Text on the board
B.Silkscreen: 14     15     16     17 | 0  1  2  3  4  5  6 | LP-13 | R | B | - | 3v3
